# Altium PCB NFC_EEG.PcbDoc (part 1 of 3) (continued)
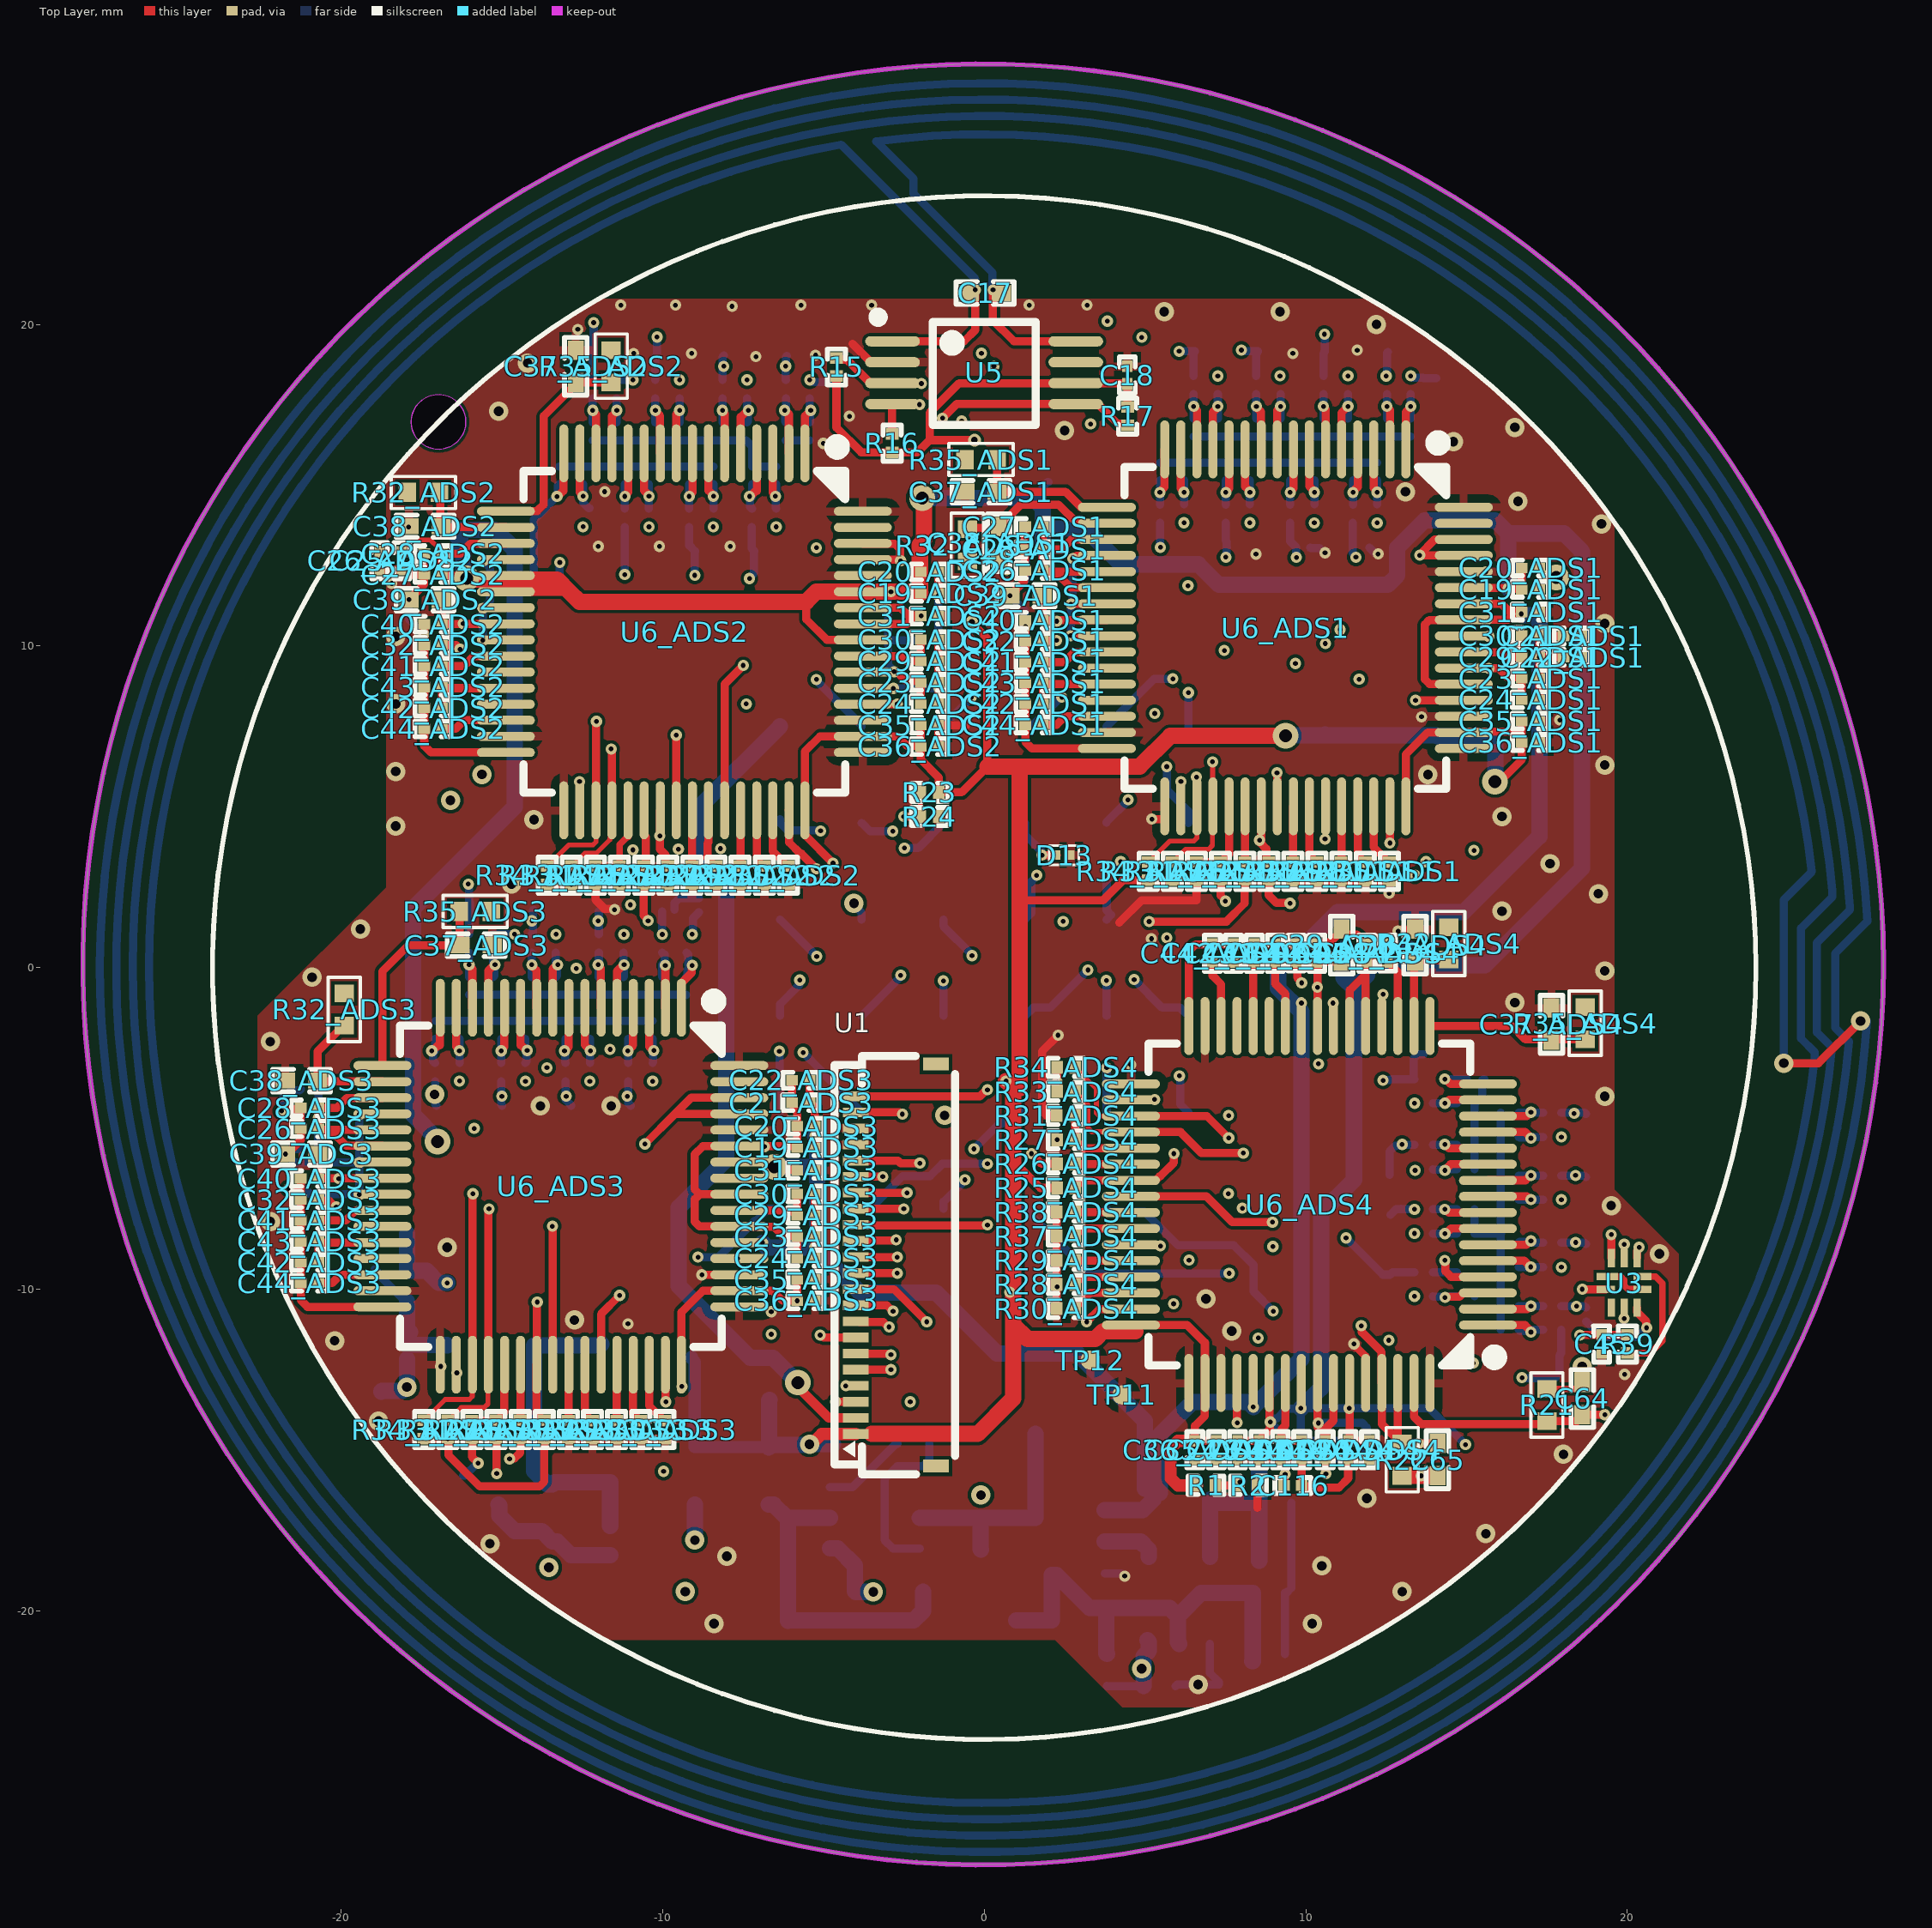
[diagram p0: Top Layer view]
## Components (designator, comment, footprint, x,y, rotation, side; value= is the part's Value field where it differs from the comment) (continued)
C57_ADS2 "4.7n" 0201_C -10.425,15.306 r90 bottom (schematic designator C57)
C57_ADS3 "4.7n" 0201_C -14.266,-1.931 r90 bottom (schematic designator C57)
C57_ADS4 "4.7n" 0201_C 14.98,-6.265 r0 bottom (schematic designator C57)
C58_ADS1 "4.7n" 0201_C 6.515,16.79 r90 bottom (schematic designator C58)
C58_ADS2 "4.7n" 0201_C -12.175,16.667 r90 bottom (schematic designator C58)
C58_ADS3 "4.7n" 0201_C -16.016,-0.571 r90 bottom (schematic designator C58)
C58_ADS4 "4.7n" 0201_C 16.34,-4.515 r0 bottom (schematic designator C58)
C59_ADS1 "4.7n" 0201_C 7.265,16.787 r270 bottom (schematic designator C59)
C59_ADS2 "4.7n" 0201_C -11.425,16.663 r270 bottom (schematic designator C59)
C59_ADS3 "4.7n" 0201_C -15.266,-0.574 r270 bottom (schematic designator C59)
C59_ADS4 "4.7n" 0201_C 16.337,-5.265 r180 bottom (schematic designator C59)
C60_ADS1 "4.7n" 0201_C 5.465,15.427 r270 bottom (schematic designator C60)
C60_ADS2 "4.7n" 0201_C -13.225,15.303 r270 bottom (schematic designator C60)
C60_ADS3 "4.7n" 0201_C -17.066,-1.934 r270 bottom (schematic designator C60)
C60_ADS4 "4.7n" 0201_C 15.277,-3.465 r180 bottom (schematic designator C60)
C61_ADS1 "4.7n" 0201_C 6.215,15.43 r90 bottom (schematic designator C61)
C61_ADS2 "4.7n" 0201_C -12.475,15.306 r90 bottom (schematic designator C61)
C61_ADS3 "4.7n" 0201_C -16.316,-1.931 r90 bottom (schematic designator C61)
C61_ADS4 "4.7n" 0201_C 14.98,-4.215 r0 bottom (schematic designator C61)
C64 "DNP" 0402_C 18.6,-13.4 r270 top
C65 "DNP" 0402_C 14.1,-15.3 r270 top
C95 "3.3u" 0402_C -2.2,-14.81 r0 bottom
C96 "1u" 0402_C -6.588,-18.346 r180 bottom
C97 "10u" 0402_C -4.2,-14.81 r0 bottom
C98 "10u" 0402_C -6.6,-19.31 r180 bottom
C99 "1u" 0402_C 2.1,-14.5 r0 bottom
C100 "10u" 0402_C 2.1,-15.4 r0 bottom
C101 "10u" 0402_C 8.838,-21.568 r0 bottom
C102 "10u" 0402_C -8.5,-13.2 r0 bottom
C103 "10u" 0402_C -18.45,-11.28 r180 bottom
C104 "1u" 0402_C -18.45,-10.38 r180 bottom
C105 "100n" 0402_C -18.45,-12.18 r180 bottom
C106 "2.2u" 0402_C -11.131,-15.556 r0 bottom
C107 "100n" 0402_C -11.131,-17.356 r0 bottom
C108 "10u" 0402_C -11.131,-16.456 r0 bottom
C109 "10u" 0402_C -11.131,-18.266 r0 bottom
C110 "2.2u" 0402_C 8.852,-20.34 r0 bottom
C111 "100n" 0402_C 8.852,-19.44 r0 bottom
C112 "2.2u" 0402_C 9.052,-17.54 r0 bottom
C113 "100n" 0402_C 9.052,-18.44 r0 bottom
C114 "10u" 0402_C 9.052,-16.64 r0 bottom
C115 "10u" 0402_C 3.74,-16.344 r90 bottom
C116 "100n" 0201_C 9.6,-16.1 r0 top
C117 "10n" 0402_C 3.745,-18.342 r90 bottom
D4_ADS1 "D5V0X1B2LP3-7" X3-DFN0603-2_L0.6-W0.3-BI 12.785,19.165 r0 bottom (schematic designator D4)
D4_ADS2 "D5V0X1B2LP3-7" X3-DFN0603-2_L0.6-W0.3-BI -5.905,19.041 r0 bottom (schematic designator D4)
D4_ADS3 "D5V0X1B2LP3-7" X3-DFN0603-2_L0.6-W0.3-BI -9.846,1.804 r0 bottom (schematic designator D4)
D4_ADS4 "D5V0X1B2LP3-7" X3-DFN0603-2_L0.6-W0.3-BI 18.715,-10.785 r270 bottom (schematic designator D4)
D5_ADS1 "D5V0X1B2LP3-7" X3-DFN0603-2_L0.6-W0.3-BI 11.257,13.053 r180 bottom (schematic designator D5)
D5_ADS2 "D5V0X1B2LP3-7" X3-DFN0603-2_L0.6-W0.3-BI -6.925,12.941 r0 bottom (schematic designator D5)
D5_ADS3 "D5V0X1B2LP3-7" X3-DFN0603-2_L0.6-W0.3-BI -10.766,-4.296 r0 bottom (schematic designator D5)
D5_ADS4 "D5V0X1B2LP3-7" X3-DFN0603-2_L0.6-W0.3-BI 12.615,-9.765 r270 bottom (schematic designator D5)
D6_ADS1 "D5V0X1B2LP3-7" X3-DFN0603-2_L0.6-W0.3-BI 10.815,19.165 r0 bottom (schematic designator D6)
D6_ADS2 "D5V0X1B2LP3-7" X3-DFN0603-2_L0.6-W0.3-BI -7.875,19.041 r0 bottom (schematic designator D6)
D6_ADS3 "D5V0X1B2LP3-7" X3-DFN0603-2_L0.6-W0.3-BI -11.716,1.804 r0 bottom (schematic designator D6)
D6_ADS4 "D5V0X1B2LP3-7" X3-DFN0603-2_L0.6-W0.3-BI 18.715,-8.815 r270 bottom (schematic designator D6)
D7_ADS1 "D5V0X1B2LP3-7" X3-DFN0603-2_L0.6-W0.3-BI 9.915,13.065 r0 bottom (schematic designator D7)
D7_ADS2 "D5V0X1B2LP3-7" X3-DFN0603-2_L0.6-W0.3-BI -8.775,12.941 r0 bottom (schematic designator D7)
D7_ADS3 "D5V0X1B2LP3-7" X3-DFN0603-2_L0.6-W0.3-BI -12.616,-4.296 r0 bottom (schematic designator D7)
D7_ADS4 "D5V0X1B2LP3-7" X3-DFN0603-2_L0.6-W0.3-BI 12.615,-7.915 r270 bottom (schematic designator D7)
D8_ADS1 "D5V0X1B2LP3-7" X3-DFN0603-2_L0.6-W0.3-BI 8.735,19.165 r0 bottom (schematic designator D8)
D8_ADS2 "D5V0X1B2LP3-7" X3-DFN0603-2_L0.6-W0.3-BI -9.955,19.041 r0 bottom (schematic designator D8)
D8_ADS3 "D5V0X1B2LP3-7" X3-DFN0603-2_L0.6-W0.3-BI -13.796,1.804 r0 bottom (schematic designator D8)
D8_ADS4 "D5V0X1B2LP3-7" X3-DFN0603-2_L0.6-W0.3-BI 18.715,-6.735 r270 bottom (schematic designator D8)
D9_ADS1 "D5V0X1B2LP3-7" X3-DFN0603-2_L0.6-W0.3-BI 7.765,13.065 r0 bottom (schematic designator D9)
D9_ADS2 "D5V0X1B2LP3-7" X3-DFN0603-2_L0.6-W0.3-BI -10.925,12.941 r0 bottom (schematic designator D9)
D9_ADS3 "D5V0X1B2LP3-7" X3-DFN0603-2_L0.6-W0.3-BI -14.766,-4.296 r0 bottom (schematic designator D9)
D9_ADS4 "D5V0X1B2LP3-7" X3-DFN0603-2_L0.6-W0.3-BI 12.604,-6.667 r270 bottom (schematic designator D9)
D10_ADS1 "D5V0X1B2LP3-7" X3-DFN0603-2_L0.6-W0.3-BI 6.765,19.165 r0 bottom (schematic designator D10)
D10_ADS2 "D5V0X1B2LP3-7" X3-DFN0603-2_L0.6-W0.3-BI -11.925,19.041 r0 bottom (schematic designator D10)
D10_ADS3 "D5V0X1B2LP3-7" X3-DFN0603-2_L0.6-W0.3-BI -15.766,1.804 r0 bottom (schematic designator D10)
D10_ADS4 "D5V0X1B2LP3-7" X3-DFN0603-2_L0.6-W0.3-BI 18.715,-4.765 r270 bottom (schematic designator D10)
D11_ADS1 "D5V0X1B2LP3-7" X3-DFN0603-2_L0.6-W0.3-BI 5.715,13.065 r0 bottom (schematic designator D11)
D11_ADS2 "D5V0X1B2LP3-7" X3-DFN0603-2_L0.6-W0.3-BI -13.2,11.607 r270 bottom (schematic designator D11)
D11_ADS3 "D5V0X1B2LP3-7" X3-DFN0603-2_L0.6-W0.3-BI -16.816,-4.296 r0 bottom (schematic designator D11)
D11_ADS4 "D5V0X1B2LP3-7" X3-DFN0603-2_L0.6-W0.3-BI 13.986,-2.698 r0 bottom (schematic designator D11)
D12_ADS1 "D5V0X1B2LP3-7" X3-DFN0603-2_L0.6-W0.3-BI 14.065,18.115 r270 bottom (schematic designator D12)
D12_ADS2 "D5V0X1B2LP3-7" X3-DFN0603-2_L0.6-W0.3-BI -4.625,17.991 r270 bottom (schematic designator D12)
D12_ADS3 "D5V0X1B2LP3-7" X3-DFN0603-2_L0.6-W0.3-BI -8.869,1.943 r90 bottom (schematic designator D12)
D12_ADS4 "D5V0X1B2LP3-7" X3-DFN0603-2_L0.6-W0.3-BI 17.665,-12.065 r180 bottom (schematic designator D12)
D13 "D5V0X1B2LP3-7" X3-DFN0603-2_L0.6-W0.3-BI 2.48,3.5 r180 top
J7 "pin6X6" SMD6X6 0,0 r180 bottom locked
L1 "3.3uH" 0805_L -6.7,-15.81 r270 bottom
L2 "3.3uH" 0805_L 2.1,-18 r270 bottom
L3 "3.3uH" 0805_L -9,-15.8 r270 bottom
L4 "3.3uH" 0805_L -13.431,-16.956 r270 bottom
L5 "3.3uH" 0805_L 6.152,-16.54 r180 bottom
R1 "20K" 0201_R 6.9,-16.1 r0 top
R2 "DNP" 0201_R 8.215,-16.1 r180 top
R3 "NC" 0402_R -18.45,-9.38 r180 bottom
R4 "30K" 0402_R -18.45,-8.28 r180 bottom
R15 "Res" 0201_R -4.594,18.676 r90 top value=10K
R16 "Res" 0201_R -2.861,16.309 r90 top value=10K
R17 "Res" 0201_R 4.459,17.147 r270 top value=10K
R18 "NC" 0402_R -2.4,-19.41 r0 bottom
R19 "30K" 0402_R -4.5,-19.41 r180 bottom
R21 "DNP" 0402_R 17.5,-13.6 r90 top
R22 "DNP" 0402_R 13,-15.3 r90 top
R23 "DNP" 0201_R -1.7,5.45 r180 top
R24 "20K" 0201_R -1.7,4.7 r180 top
R25_ADS1 "10k" 0201_R 8.85,3 r90 top (schematic designator R25)
R25_ADS2 "10k" 0201_R -9.84,2.876 r90 top (schematic designator R25)
R25_ADS3 "10k" 0201_R -13.681,-14.361 r90 top (schematic designator R25)
R25_ADS4 "10k" 0201_R 2.55,-6.85 r0 top (schematic designator R25)
R26_ADS1 "10" 0201_R 8.1,3 r90 top (schematic designator R26)
R26_ADS2 "10" 0201_R -10.59,2.876 r90 top (schematic designator R26)
R26_ADS3 "10" 0201_R -14.431,-14.361 r90 top (schematic designator R26)
R26_ADS4 "10" 0201_R 2.55,-6.1 r0 top (schematic designator R26)
R27_ADS1 "10" 0201_R 7.35,3 r90 top (schematic designator R27)
R27_ADS2 "10" 0201_R -11.34,2.876 r90 top (schematic designator R27)
R27_ADS3 "10" 0201_R -15.181,-14.361 r90 top (schematic designator R27)
R27_ADS4 "10" 0201_R 2.55,-5.35 r0 top (schematic designator R27)
R28_ADS1 "10k" 0201_R 11.85,2.995 r270 top (schematic designator R28)
R28_ADS2 "10k" 0201_R -6.84,2.871 r270 top (schematic designator R28)
R28_ADS3 "10k" 0201_R -10.681,-14.366 r270 top (schematic designator R28)
R28_ADS4 "10k" 0201_R 2.545,-9.85 r180 top (schematic designator R28)
R29_ADS1 "10k" 0201_R 11.1,2.995 r270 top (schematic designator R29)
R29_ADS2 "10k" 0201_R -7.59,2.871 r270 top (schematic designator R29)
R29_ADS3 "10k" 0201_R -11.431,-14.366 r270 top (schematic designator R29)
R29_ADS4 "10k" 0201_R 2.545,-9.1 r180 top (schematic designator R29)
R30_ADS1 "10k" 0201_R 12.6,2.995 r270 top (schematic designator R30)
R30_ADS2 "10k" 0201_R -6.09,2.871 r270 top (schematic designator R30)
R30_ADS3 "10k" 0201_R -9.931,-14.366 r270 top (schematic designator R30)
R30_ADS4 "10k" 0201_R 2.545,-10.6 r180 top (schematic designator R30)
R31_ADS1 "DNP" 0201_R 6.6,2.995 r270 top (schematic designator R31)
R31_ADS2 "DNP" 0201_R -12.09,2.871 r270 top (schematic designator R31)
R31_ADS3 "DNP" 0201_R -15.931,-14.366 r270 top (schematic designator R31)
R31_ADS4 "DNP" 0201_R 2.545,-4.6 r180 top (schematic designator R31)
R32_ADS1 "0" 0402_R -0.525,13.133 r270 top (schematic designator R32)
R32_ADS2 "0" 0402_R -17.44,14.776 r180 top (schematic designator R32)
R32_ADS3 "0" 0402_R -19.9,-1.3 r90 top (schematic designator R32)
R32_ADS4 "0" 0402_R 14.45,0.75 r90 top (schematic designator R32)
R33_ADS1 "10k" 0201_R 5.85,3 r90 top (schematic designator R33)
R33_ADS2 "10k" 0201_R -12.84,2.876 r90 top (schematic designator R33)
R33_ADS3 "10k" 0201_R -16.681,-14.361 r90 top (schematic designator R33)
R33_ADS4 "10k" 0201_R 2.55,-3.85 r0 top (schematic designator R33)
R34_ADS1 "10k" 0201_R 5.1,3 r90 top (schematic designator R34)
R34_ADS2 "10k" 0201_R -13.59,2.876 r90 top (schematic designator R34)
R34_ADS3 "10k" 0201_R -17.431,-14.361 r90 top (schematic designator R34)
R34_ADS4 "10k" 0201_R 2.55,-3.1 r0 top (schematic designator R34)
R35_ADS1 "0" 0402_R -0.1,15.8 r180 top (schematic designator R35)
R35_ADS2 "0" 0402_R -11.6,18.7 r90 top (schematic designator R35)
R35_ADS3 "0" 0402_R -15.83,1.75 r0 top (schematic designator R35)
R35_ADS4 "0" 0402_R 18.69,-1.73 r90 top (schematic designator R35)
R37_ADS1 "10k" 0201_R 10.35,2.995 r270 top (schematic designator R37)
R37_ADS2 "10k" 0201_R -8.34,2.871 r270 top (schematic designator R37)
R37_ADS3 "10k" 0201_R -12.181,-14.366 r270 top (schematic designator R37)
R37_ADS4 "10k" 0201_R 2.545,-8.35 r180 top (schematic designator R37)
R38_ADS1 "0" 0201_R 9.6,2.995 r270 top (schematic designator R38)
R38_ADS2 "0" 0201_R -9.09,2.871 r270 top (schematic designator R38)
R38_ADS3 "0" 0201_R -12.931,-14.366 r270 top (schematic designator R38)
R38_ADS4 "0" 0201_R 2.545,-7.6 r180 top (schematic designator R38)
R39 "100k 1%" 0201_R 20,-11.7 r90 top
R40_ADS1 "4.99k" 0201_R 12.524,18.115 r90 bottom (schematic designator R40)
R40_ADS2 "4.99k" 0201_R -6.166,17.991 r90 bottom (schematic designator R40)
R40_ADS3 "4.99k" 0201_R -10.007,0.754 r90 bottom (schematic designator R40)
R40_ADS4 "4.99k" 0201_R 17.665,-10.524 r0 bottom (schematic designator R40)
R41_ADS1 "4.99k" 0201_R 13.265,18.115 r90 bottom (schematic designator R41)
R41_ADS2 "4.99k" 0201_R -5.425,17.991 r90 bottom (schematic designator R41)
R41_ADS3 "4.99k" 0201_R -9.266,0.754 r90 bottom (schematic designator R41)
R41_ADS4 "4.99k" 0201_R 17.665,-11.265 r0 bottom (schematic designator R41)
R42_ADS1 "4.99k" 0201_R 11.466,14.115 r270 bottom (schematic designator R42)
R42_ADS2 "4.99k" 0201_R -7.224,13.991 r270 bottom (schematic designator R42)
R42_ADS3 "4.99k" 0201_R -11.065,-3.246 r270 bottom (schematic designator R42)
R42_ADS4 "4.99k" 0201_R 13.665,-9.466 r180 bottom (schematic designator R42)
R43_ADS1 "4.99k" 0201_R 12.219,14.115 r270 bottom (schematic designator R43)
R43_ADS2 "4.99k" 0201_R -6.47,13.991 r270 bottom (schematic designator R43)
R43_ADS3 "4.99k" 0201_R -10.312,-3.246 r270 bottom (schematic designator R43)
R43_ADS4 "4.99k" 0201_R 13.665,-10.219 r180 bottom (schematic designator R43)
R44_ADS1 "4.99k" 0201_R 10.55,18.115 r90 bottom (schematic designator R44)
R44_ADS2 "4.99k" 0201_R -8.14,17.991 r90 bottom (schematic designator R44)
R44_ADS3 "4.99k" 0201_R -11.981,0.754 r90 bottom (schematic designator R44)
R44_ADS4 "4.99k" 0201_R 17.665,-8.55 r0 bottom (schematic designator R44)
R45_ADS1 "4.99k" 0201_R 11.315,18.115 r90 bottom (schematic designator R45)
R45_ADS2 "4.99k" 0201_R -7.375,17.991 r90 bottom (schematic designator R45)
R45_ADS3 "4.99k" 0201_R -11.216,0.754 r90 bottom (schematic designator R45)
R45_ADS4 "4.99k" 0201_R 17.665,-9.315 r0 bottom (schematic designator R45)
R46_ADS1 "4.99k" 0201_R 9.515,14.115 r270 bottom (schematic designator R46)
R46_ADS2 "4.99k" 0201_R -9.175,13.991 r270 bottom (schematic designator R46)
R46_ADS3 "4.99k" 0201_R -13.016,-3.246 r270 bottom (schematic designator R46)
R46_ADS4 "4.99k" 0201_R 13.665,-7.515 r180 bottom (schematic designator R46)
R47_ADS1 "4.99k" 0201_R 10.265,14.115 r270 bottom (schematic designator R47)
R47_ADS2 "4.99k" 0201_R -8.425,13.991 r270 bottom (schematic designator R47)
R47_ADS3 "4.99k" 0201_R -12.266,-3.246 r270 bottom (schematic designator R47)
R47_ADS4 "4.99k" 0201_R 13.665,-8.265 r180 bottom (schematic designator R47)
R48_ADS1 "4.99k" 0201_R 8.465,18.115 r90 bottom (schematic designator R48)
R48_ADS2 "4.99k" 0201_R -10.225,17.991 r90 bottom (schematic designator R48)
R48_ADS3 "4.99k" 0201_R -14.066,0.754 r90 bottom (schematic designator R48)
R48_ADS4 "4.99k" 0201_R 17.665,-6.465 r0 bottom (schematic designator R48)
R49_ADS1 "4.99k" 0201_R 9.215,18.115 r90 bottom (schematic designator R49)
R49_ADS2 "4.99k" 0201_R -9.475,17.991 r90 bottom (schematic designator R49)
R49_ADS3 "4.99k" 0201_R -13.316,0.754 r90 bottom (schematic designator R49)
R49_ADS4 "4.99k" 0201_R 17.665,-7.215 r0 bottom (schematic designator R49)
R50_ADS1 "4.99k" 0201_R 7.515,14.115 r270 bottom (schematic designator R50)
R50_ADS2 "4.99k" 0201_R -11.175,13.991 r270 bottom (schematic designator R50)
R50_ADS3 "4.99k" 0201_R -15.016,-3.246 r270 bottom (schematic designator R50)
R50_ADS4 "4.99k" 0201_R 13.665,-5.515 r180 bottom (schematic designator R50)
R51_ADS1 "4.99k" 0201_R 8.265,14.115 r270 bottom (schematic designator R51)
R51_ADS2 "4.99k" 0201_R -10.425,13.991 r270 bottom (schematic designator R51)
R51_ADS3 "4.99k" 0201_R -14.266,-3.246 r270 bottom (schematic designator R51)
R51_ADS4 "4.99k" 0201_R 13.665,-6.265 r180 bottom (schematic designator R51)
R52_ADS1 "4.99k" 0201_R 6.515,18.115 r90 bottom (schematic designator R52)
R52_ADS2 "4.99k" 0201_R -12.175,17.991 r90 bottom (schematic designator R52)
R52_ADS3 "4.99k" 0201_R -16.016,0.754 r90 bottom (schematic designator R52)
R52_ADS4 "4.99k" 0201_R 17.665,-4.515 r0 bottom (schematic designator R52)
R53_ADS1 "4.99k" 0201_R 7.265,18.115 r90 bottom (schematic designator R53)
R53_ADS2 "4.99k" 0201_R -11.425,17.991 r90 bottom (schematic designator R53)
R53_ADS3 "4.99k" 0201_R -15.266,0.754 r90 bottom (schematic designator R53)
R53_ADS4 "4.99k" 0201_R 17.665,-5.265 r0 bottom (schematic designator R53)
R54_ADS1 "4.99k" 0201_R 5.465,14.115 r270 bottom (schematic designator R54)
R54_ADS2 "4.99k" 0201_R -14,12 r270 bottom (schematic designator R54)
R54_ADS3 "4.99k" 0201_R -17.066,-3.246 r270 bottom (schematic designator R54)
R54_ADS4 "4.99k" 0201_R 13.965,-3.465 r180 bottom (schematic designator R54)
R56_ADS1 "4.99k" 0201_R 6.215,14.12 r270 bottom (schematic designator R56)
R56_ADS2 "4.99k" 0201_R -12.275,13.996 r270 bottom (schematic designator R56)
R56_ADS3 "4.99k" 0201_R -16.316,-3.241 r270 bottom (schematic designator R56)
R56_ADS4 "4.99k" 0201_R 13.67,-4.215 r180 bottom (schematic designator R56)
R57 "NC" 0402_R 3.82,-21.838 r90 bottom
R58 "30K" 0402_R 5.452,-22.34 r0 bottom
TP1 "SMD_TP_C35" TEST_Point -6.1,-20.31 r90 bottom
TP2 "SMD_TP_C35" TEST_Point -0.1,-18.1 r90 bottom
TP3 "SMD_TP_C35" TEST_Point -6.681,-13.44 r90 bottom
TP4 "SMD_TP_C35" TEST_Point 1,-20.3 r90 bottom
TP5 "SMD_TP_C35" TEST_Point -11.8,-20 r180 bottom
TP6 "SMD_TP_C35" TEST_Point -10,-20.3 r180 bottom
TP7 "SMD_TP_C35" TEST_Point -18.75,-13.18 r180 bottom
TP8 "SMD_TP_C35" TEST_Point -11.9,-11.7 r180 bottom
TP9 "SMD_TP_C35" TEST_Point -9.1,-12.1 r180 bottom
TP10 "SMD_TP_C35" TEST_Point -15.101,-16.7 r180 bottom
TP11 "SMD_TP_C35" TEST_Point 4.29,-13.29 r90 top
TP12 "SMD_TP_C35" TEST_Point 3.3,-12.2 r90 top
TP13 "SMD_TP_C35" TEST_Point 8.552,-15.64 r90 bottom
TP14 "SMD_TP_C35" TEST_Point 2.1,-20.3 r90 bottom
TP15 "SMD_TP_C35" TEST_Point 5.252,-14.74 r90 bottom
TP16 "SMD_TP_C35" TEST_Point 10.9,-17.6 r90 bottom
TP17 "SMD_TP_C35" TEST_Point 7.352,-22.24 r90 bottom
U1 "KH-FPC0.5-H1.0SMT-22P-QCHF" FPC-SMD_22P-P0.50_XKB_X05A10L22G -2.75,-9.25 r90 top
U3 "FSA2271TUMX" UFQFN-10(1.4X1.8) 19.9,-9.8 r0 top
U5 "NT3H2111" TSSOP-8 0,18.5 r270 top
U6_ADS1 "ADS1299IPAGR" TQFP-64_L10.0-W10.0-P0.50-LS12.0-TL 9.365,10.565 r270 top locked (schematic designator U6)
U6_ADS2 "ADS1299IPAGR" TQFP-64_L10.0-W10.0-P0.50-LS12.0-TL -9.325,10.441 r270 top (schematic designator U6)
U6_ADS3 "ADS1299IPAGR" TQFP-64_L10.0-W10.0-P0.50-LS12.0-TL -13.166,-6.796 r270 top (schematic designator U6)
U6_ADS4 "ADS1299IPAGR" TQFP-64_L10.0-W10.0-P0.50-LS12.0-TL 10.115,-7.365 r180 top (schematic designator U6)
U17 "LM2664" SOT-23-6 -3.4,-17.11 r0 bottom
U18 "LP5907MFX-2.5/NOPB" SOT-23_5 -15.35,-10.79 r180 bottom
U19 "TPS72325" SOT-23_5 6.07,-19.673 r270 bottom

## Footprints (in the part's own frame and the unit in brackets; to place one, negate y for a bottom-side part, rotate by r counter-clockwise, add the part's x,y. Pads: shape width x height; smd on the part's side, far side on the other; paste and mask are expansions set on the pad)
0201_C [mm]
  rect 0.368x0.324 smd: 1(-0.274,0) 2(0.274,0)
  silkscreen extent -0.56,-0.25 0.56,0.25, body extent -0.3,-0.15 0.3,0.15, height 0.31
0201_R [mm]
  rect 0.36x0.4 smd mask+0.051: 1(-0.285,0) 2(0.285,0)
  silkscreen extent -0.56,-0.28 0.56,0.28, body extent -0.34,-0.16 0.34,0.16, height 0.34
0402_C [mm] "Chip Capacitor, 2-Leads, Body 1.0x0.5mm, IPC High Density"
  rect 0.6x0.5 smd: 1(-0.5,0) 2(0.5,0)
  silkscreen extent -0.9,-0.35 0.9,0.35, body extent -0.51,-0.25 0.51,0.25, height 0.5
0402_R [mm]
  rect 0.55x0.6 smd: 1(-0.5,0) 2(0.5,0)
  silkscreen extent -1,-0.5 1,0.5, body extent -0.57,-0.27 0.58,0.28, height 0.41
0805_L [mm]
  rect 1.16x1.47 smd: 1(-0.89,0) 2(0.89,0)
  silkscreen extent -1.77,-1.04 1.77,1.03, body extent -1,-0.64 1,0.64, height 0.6
FPC-SMD_22P-P0.50_XKB_X05A10L22G [mm]
  rect 0.3x0.8 smd paste+0 mask+0.05: 1(-5.25,1.25) 2(-4.75,1.25) 3(-4.25,1.25) 4(-3.75,1.25) 5(-3.25,1.25) 6(-2.75,1.25) 7(-2.25,1.25) 8(-1.75,1.25) 9(-1.25,1.25) 10(-0.75,1.25) 11(-0.25,1.25) 12(0.25,1.25) 13(0.75,1.25) 14(1.25,1.25) 15(1.75,1.25) 16(2.25,1.25) 17(2.75,1.25) 18(3.25,1.25) 19(3.75,1.25) 20(4.25,1.25) 21(4.75,1.25) 22(5.25,1.25)
  rect 0.4x0.8 smd paste+0 mask+0.05: 23(6.25,-1.25) 24(-6.25,-1.25)
  silkscreen extent -6.5,-1.85 6.5,1.91, body extent -6.5,-1.9 6.5,1.91, height 1.22
SMD6X6 [mm] "SMD6X6"
  round 1.6 smd: 1(6.35,7.5) 2(3.81,7.5) 3(1.27,7.5) 4(-1.27,7.5) 5(-3.81,7.5) 6(-6.35,7.5) 7(6.35,4.5) 8(3.81,4.5) 9(1.27,4.5) 10(-1.27,4.5) 11(-3.81,4.5) 12(-6.35,4.5) 13(6.35,1.5) 14(3.81,1.5) 15(1.27,1.5) 16(-1.27,1.5) 17(-3.81,1.5) 18(-6.35,1.5) 19(6.35,-1.5) 20(3.81,-1.5) 21(1.27,-1.5) 22(-1.27,-1.5) 23(-3.81,-1.5) 24(-6.35,-1.5) 25(6.35,-4.5) 26(3.81,-4.5) 27(1.27,-4.5) 28(-1.27,-4.5) 29(-3.81,-4.5) 30(-6.35,-4.5) 31(6.35,-7.5) 32(3.81,-7.5) 33(1.27,-7.5) 34(-1.27,-7.5) 35(-3.81,-7.5) 36(-6.35,-7.5)
SOT-23-6 [mm]
  rect 1.1x0.6 smd: 1(1.4,-0.95) 2(1.4,0) 3(1.4,0.95) 4(-1.4,0.95) 5(-1.4,0) 6(-1.4,-0.95)
  silkscreen extent -0.5,-1.87 1.73,1.4, body extent -1.4,-1.45 1.4,1.45, height 1.45
SOT-23_5 [mm]
  rect 1.05x0.6 smd: 1(1.35,-0.95) 2(1.35,0) 3(1.35,0.95)
  rect 1x0.55 smd: 4(-1.35,0.95) 5(-1.35,-0.95)
  silkscreen extent -0.87,-1.96 1.6,1.54, body extent -1.45,-1.44 1.35,1.46, height 1.09
TEST_Point [mm]
  round 0.6 smd: 1(0,0)
TQFP-64_L10.0-W10.0-P0.50-LS12.0-TL [mm]
  oval 1.8x0.28 smd paste-100 mask+0.051: 1(-5.55,3.75) 2(-5.55,3.25) 3(-5.55,2.75) 4(-5.55,2.25) 5(-5.55,1.75) 6(-5.55,1.25) 7(-5.55,0.75) 8(-5.55,0.25) 9(-5.55,-0.25) 10(-5.55,-0.75) 11(-5.55,-1.25) 12(-5.55,-1.75) 13(-5.55,-2.25) 14(-5.55,-2.75) 15(-5.55,-3.25) 16(-5.55,-3.75) 33(5.55,-3.75) 34(5.55,-3.25) 35(5.55,-2.75) 36(5.55,-2.25) 37(5.55,-1.75) 38(5.55,-1.25) 39(5.55,-0.75) 40(5.55,-0.25) 41(5.55,0.25) 42(5.55,0.75) 43(5.55,1.25) 44(5.55,1.75) 45(5.55,2.25) 46(5.55,2.75) 47(5.55,3.25) 48(5.55,3.75)
  oval 0.28x1.8 smd paste-100 mask+0.051: 17(-3.75,-5.55) 18(-3.25,-5.55) 19(-2.75,-5.55) 20(-2.25,-5.55) 21(-1.75,-5.55) 22(-1.25,-5.55) 23(-0.75,-5.55) 24(-0.25,-5.55) 25(0.25,-5.55) 26(0.75,-5.55) 27(1.25,-5.55) 28(1.75,-5.55) 29(2.25,-5.55) 30(2.75,-5.55) 31(3.25,-5.55) 32(3.75,-5.55) 49(3.75,5.55) 50(3.25,5.55) 51(2.75,5.55) 52(2.25,5.55) 53(1.75,5.55) 54(1.25,5.55) 55(0.75,5.55) 56(0.25,5.55) 57(-0.25,5.55) 58(-0.75,5.55) 59(-1.25,5.55) 60(-1.75,5.55) 61(-2.25,5.55) 62(-2.75,5.55) 63(-3.25,5.55) 64(-3.75,5.55)
  silkscreen extent -5.95,-5 5,5, body extent -5.79,-5.79 5.79,5.79, height 1
TSSOP-8 [mm]
  oval 0.32x1.7 smd: 1(-0.975,-2.85) 2(-0.325,-2.85) 3(0.325,-2.85) 4(0.975,-2.85) 5(0.975,2.85) 6(0.325,2.85) 7(-0.325,2.85) 8(-0.975,2.85)
  silkscreen extent -1.87,-3.45 1.63,1.6, body extent -1.5,-3.2 1.5,3.2, height 1.2
UFQFN-10(1.4X1.8) [mm]
  rect 0.663x0.225 smd mask+0.102: 1(-0.519,0.2)
  rect 0.563x0.225 smd mask+0.102: 2(-0.569,-0.2) 6(0.569,-0.2) 7(0.569,0.2)
  rect 0.225x0.563 smd mask+0.102: 3(-0.4,-0.768) 4(0,-0.769) 5(0.4,-0.768) 8(0.4,0.768) 9(0,0.769) 10(-0.4,0.768)
  body extent -0.72,-0.92 0.72,0.92, height 0.5
X3-DFN0603-2_L0.6-W0.3-BI [mm]
  rect 0.23x0.3 smd: 1(-0.22,0) 2(0.22,0)
  silkscreen extent -0.46,-0.3 0.46,0.3

## Part data
C17 C18: library part CAP, "Capacitor"
C19_ADS1 C19_ADS2 C19_ADS3 C19_ADS4 C21_ADS1 C21_ADS2 C21_ADS3 C21_ADS4 C23_ADS1 C23_ADS2 C23_ADS3 C23_ADS4 C25_ADS1 C25_ADS2 C25_ADS3 C25_ADS4 C27_ADS1 C27_ADS2 C27_ADS3 C27_ADS4 C29_ADS1 C29_ADS2 C29_ADS3 C29_ADS4 C31_ADS1 C31_ADS2 C31_ADS3 C31_ADS4 C32_ADS1 C32_ADS2 C32_ADS3 C32_ADS4 C33_ADS1 C33_ADS2 C33_ADS3 C33_ADS4 C35_ADS1 C35_ADS2 C35_ADS3 C35_ADS4 C41_ADS1 C41_ADS2 C41_ADS3 C41_ADS4 C44_ADS1 C44_ADS2 C44_ADS3 C44_ADS4: library part CAP0402, "CAP CER 1UF 25V X5R 0402", Distributor Part Number=C326568, Manufacturer=YAGEO, Manufacturer Part Number=CC0402KRX5R8BB105, Distributor=LCSC, Distributor Link=https://item.szlcsc.com/306662.html, FPLIST=0402_smd, Part Number=CC0402KRX5R8BB105, PCB Footprint=C0402
C20_ADS1 C20_ADS2 C20_ADS3 C20_ADS4 C22_ADS1 C22_ADS2 C22_ADS3 C22_ADS4 C24_ADS1 C24_ADS2 C24_ADS3 C24_ADS4 C26_ADS1 C26_ADS2 C26_ADS3 C26_ADS4 C28_ADS1 C28_ADS2 C28_ADS3 C28_ADS4 C30_ADS1 C30_ADS2 C30_ADS3 C30_ADS4 C34_ADS1 C34_ADS2 C34_ADS3 C34_ADS4 C36_ADS1 C36_ADS2 C36_ADS3 C36_ADS4 C40_ADS1 C40_ADS2 C40_ADS3 C40_ADS4 C105 C107 C111 C113 C116: library part CAP0402, "CAP CER 0.1UF 25V X7R 0402", Distributor Part Number=C105883, Manufacturer=YAGEO, Manufacturer Part Number=CC0402KRX7R8BB104, Distributor=LCSC, Distributor Link=https://item.szlcsc.com/107098.html, FPLIST=0402_smd, Part Number=CC0402KRX7R8BB104, PCB Footprint=C0402
C37_ADS1 C37_ADS2 C37_ADS3 C37_ADS4 C38_ADS1 C38_ADS2 C38_ADS3 C38_ADS4 C42_ADS1 C42_ADS2 C42_ADS3 C42_ADS4 C64 C65: library part CAP0402, FPLIST=0402_smd, PCB Footprint=C0402
C39_ADS1 C39_ADS2 C39_ADS3 C39_ADS4 C97 C98 C100 C101 C102 C103 C108 C109 C114 C115: library part CAP0402, "CAP CER 10UF 10V X5R 0603", Distributor Part Number=C19702, Manufacturer="Samsung Electro-Mechanics", Manufacturer Part Number=CL10A106KP8NNNC, Distributor=LCSC, Distributor Link=https://item.szlcsc.com/20411.html, FPLIST=0402_smd, Part Number=CL10A106KP8NNNC, PCB Footprint=C0603
C43_ADS1 C43_ADS2 C43_ADS3 C43_ADS4: library part CAP0402, "CAP CER 100UF 10V X5R 1206", Distributor Part Number=C312983, Manufacturer="Murata Electronics", Manufacturer Part Number=GRM31CR61A107ME05L, Distributor=LCSC, Distributor Link=https://item.szlcsc.com/295691.html, FPLIST=0402_smd, Part Number=GRM31CR61A107ME05L, PCB Footprint=C1206
C45 C46_ADS1 C46_ADS2 C46_ADS3 C46_ADS4 C47_ADS1 C47_ADS2 C47_ADS3 C47_ADS4 C48_ADS1 C48_ADS2 C48_ADS3 C48_ADS4 C49_ADS1 C49_ADS2 C49_ADS3 C49_ADS4 C50_ADS1 C50_ADS2 C50_ADS3 C50_ADS4 C51_ADS1 C51_ADS2 C51_ADS3 C51_ADS4 C52_ADS1 C52_ADS2 C52_ADS3 C52_ADS4 C53_ADS1 C53_ADS2 C53_ADS3 C53_ADS4 C54_ADS1 C54_ADS2 C54_ADS3 C54_ADS4 C55_ADS1 C55_ADS2 C55_ADS3 C55_ADS4 C56_ADS1 C56_ADS2 C56_ADS3 C56_ADS4 C57_ADS1 C57_ADS2 C57_ADS3 C57_ADS4 C58_ADS1 C58_ADS2 C58_ADS3 C58_ADS4 C59_ADS1 C59_ADS2 C59_ADS3 C59_ADS4 C60_ADS1 C60_ADS2 C60_ADS3 C60_ADS4 C61_ADS1 C61_ADS2 C61_ADS3 C61_ADS4: library part CAP0402, "CAP CER 4700PF 50V X7R 0402", Distributor Part Number=C106208, Manufacturer=YAGEO, Manufacturer Part Number=CC0402KRX7R9BB472, Distributor=LCSC, Distributor Link=https://item.szlcsc.com/107423.html, FPLIST=0402_smd, Part Number=CC0402KRX7R9BB472, PCB Footprint=C0603
C95: library part CAP0402, "CAP CER 3.3UF 10V X5R 0805", Distributor Part Number=C162416, Manufacturer="Murata Electronics", Manufacturer Part Number=GRM21BR61A335KA73L, Distributor=LCSC, Distributor Link=https://item.szlcsc.com/173797.html, FPLIST=0402_smd, Part Number=GRM21BR61A335KA73L, PCB Footprint=C0805
C96 C99 C104: library part CAP0402, "CAP CER 1UF 25V X5R 0603", Distributor Part Number=C77046, Manufacturer="Murata Electronics", Manufacturer Part Number=GRM188R61E105KA12D, Distributor=LCSC, Distributor Link=https://item.szlcsc.com/78173.html, FPLIST=0402_smd, Part Number=GRM188R61E105KA12D, PCB Footprint=C0603
C106 C110 C112: library part CAP0402, "CAP CER 2.2UF 25V X5R 0603", Distributor Part Number=C541409, Manufacturer=YAGEO, Manufacturer Part Number=CC0603KRX5R8BB225, Distributor=LCSC, Distributor Link=https://item.szlcsc.com/293094.html, FPLIST=0402_smd, Part Number=CC0603KRX5R8BB225, PCB Footprint=C0603
C117: library part CAP0402, "CAP CER 10000PF 25V X7R 0402", Distributor Part Number=C327025, Manufacturer=YAGEO, Manufacturer Part Number=CC0402KRX7R8BB103, Distributor=LCSC, Distributor Link=https://item.szlcsc.com/307119.html, FPLIST=0402_smd, Part Number=CC0402KRX7R8BB103, PCB Footprint=C0402
D4_ADS1 D4_ADS2 D4_ADS3 D4_ADS4 D5_ADS1 D5_ADS2 D5_ADS3 D5_ADS4 D6_ADS1 D6_ADS2 D6_ADS3 D6_ADS4 D7_ADS1 D7_ADS2 D7_ADS3 D7_ADS4 D8_ADS1 D8_ADS2 D8_ADS3 D8_ADS4 D9_ADS1 D9_ADS2 D9_ADS3 D9_ADS4 D10_ADS1 D10_ADS2 D10_ADS3 D10_ADS4 D11_ADS1 D11_ADS2 D11_ADS3 D11_ADS4 D12_ADS1 D12_ADS2 D12_ADS3 D12_ADS4 D13: Breakdown Voltage (VBR)=7V, Clamping Voltage@Ipp=14V, JLCPCB Part Class="Extended Part", Junction Capacitance(Cj)@1MHz=0.3pF@1MHz, Manufacturer=DIODES(美台), Operating Temperature=-65℃~+150℃@(Tj), Peak Pulse Power(Ppp)@8/20us=-, Reverse Stand-Off Voltage (Vrwm)=5.5V, Add into BOM=yes, Convert to PCB=yes, Datasheet=https://atta.szlcsc.com/upload/public/pdf/source/20200528/C526514_1B9BA5DE30498B0D24898FE9BE74AB8A.pdf, Device=D5V0X1B2LP3-7, LCSC Part Name=D5V0X1B2LP3-7, Manufacturer Part=D5V0X1B2LP3-7, Name=D5V0X1B2LP3-7, Supplier=LCSC, Supplier Footprint=X3-DFN0603-2, Supplier Part=C526514, Symbol=D5V0X1B2LP3-7
J7: library part PIN6X6, PCB Footprint=pin6X6
L1 L2 L3 L4 L5: library part INDUCTOR, "FIXED IND 3.3UH 500MA 260 MOHM", Distributor Part Number=C404386, Manufacturer="TDK Corporation", Manufacturer Part Number=KLZ2012MHR3R3HTD25, Distributor=LCSC, Distributor Link=https://item.szlcsc.com/391913.html, Part Number=KLZ2012MHR3R3HTD25, PCB Footprint=L0805
R1 R3 R18 R24 R32_ADS1 R32_ADS2 R32_ADS3 R32_ADS4 R35_ADS1 R35_ADS2 R35_ADS3 R35_ADS4 R38_ADS1 R38_ADS2 R38_ADS3 R38_ADS4 R57: library part RES, "RES SMD 0 OHM JUMPER 1/16W 0402", Distributor Part Number=C106231, Manufacturer=YAGEO, Manufacturer Part Number=RC0402FR-070RL, Distributor=LCSC, Distributor Link=https://item.szlcsc.com/107446.html, Part Number=RC0402FR-070RL, PCB Footprint=R0402
R2 R4 R19 R21 R22 R23 R31_ADS1 R31_ADS2 R31_ADS3 R31_ADS4 R58: library part RES, PCB Footprint=R0402
R15 R16 R17: library part Res2, "Resistor"
R25_ADS1 R25_ADS2 R25_ADS3 R25_ADS4 R28_ADS1 R28_ADS2 R28_ADS3 R28_ADS4 R29_ADS1 R29_ADS2 R29_ADS3 R29_ADS4 R30_ADS1 R30_ADS2 R30_ADS3 R30_ADS4 R33_ADS1 R33_ADS2 R33_ADS3 R33_ADS4 R34_ADS1 R34_ADS2 R34_ADS3 R34_ADS4 R37_ADS1 R37_ADS2 R37_ADS3 R37_ADS4: library part RES, "RES SMD 10K OHM 1% 1/16W 0402", Distributor Part Number=C60490, Manufacturer=YAGEO, Manufacturer Part Number=RC0402FR-0710KL, Distributor=LCSC, Distributor Link=https://item.szlcsc.com/61542.html, Part Number=RC0402FR-0710KL, PCB Footprint=R0402
R26_ADS1 R26_ADS2 R26_ADS3 R26_ADS4 R27_ADS1 R27_ADS2 R27_ADS3 R27_ADS4: library part RES, "RES SMD 10 OHM 1% 1/10W 0402", Distributor Part Number=C138066, Manufacturer=YAGEO, Manufacturer Part Number=RC0402FR-0710RL, Distributor=LCSC, Distributor Link=https://item.szlcsc.com/149382.html, Part Number=RC0402FR-0710RL, PCB Footprint=R0402
R39: library part RES, Distributor Part Number=C137965, Manufacturer=YAGEO, Manufacturer Part Number=RC0402FR-074K99L, Distributor=LCSC, Distributor Link=https://item.szlcsc.com/149281.html, Part Number=RC0402FR-074K99L, PCB Footprint=R0402
R40_ADS1 R40_ADS2 R40_ADS3 R40_ADS4 R41_ADS1 R41_ADS2 R41_ADS3 R41_ADS4 R42_ADS1 R42_ADS2 R42_ADS3 R42_ADS4 R43_ADS1 R43_ADS2 R43_ADS3 R43_ADS4 R44_ADS1 R44_ADS2 R44_ADS3 R44_ADS4 R45_ADS1 R45_ADS2 R45_ADS3 R45_ADS4 R46_ADS1 R46_ADS2 R46_ADS3 R46_ADS4 R47_ADS1 R47_ADS2 R47_ADS3 R47_ADS4 R48_ADS1 R48_ADS2 R48_ADS3 R48_ADS4 R49_ADS1 R49_ADS2 R49_ADS3 R49_ADS4 R50_ADS1 R50_ADS2 R50_ADS3 R50_ADS4 R51_ADS1 R51_ADS2 R51_ADS3 R51_ADS4 R52_ADS1 R52_ADS2 R52_ADS3 R52_ADS4 R53_ADS1 R53_ADS2 R53_ADS3 R53_ADS4 R54_ADS1 R54_ADS2 R54_ADS3 R54_ADS4 R56_ADS1 R56_ADS2 R56_ADS3 R56_ADS4: library part RES, "RES SMD 4.99K OHM 1% 1/16W 0402", Distributor Part Number=C137965, Manufacturer=YAGEO, Manufacturer Part Number=RC0402FR-074K99L, Distributor=LCSC, Distributor Link=https://item.szlcsc.com/149281.html, Part Number=RC0402FR-074K99L, PCB Footprint=R0402
TP1 TP2 TP3 TP4 TP5 TP6 TP7 TP8 TP9 TP10 TP11 TP12 TP13 TP14 TP15 TP16 TP17: library part CON1_0, Part Type=TP, PCB Footprint=SMD_TP_C35
U1: "锁定特性:翻盖式;触点数量:22P;间距:0.5mm;", JLCPCB Part Class=扩展库, Manufacturer=kinghelm(金航标), Add into BOM=yes, Convert to PCB=yes, Datasheet=https://atta.szlcsc.com/upload/public/pdf/source/20220629/AF128159C3D91429B5983CCCE2A07C6D.pdf, Device=KH-FPC0.5-H1.0SMT-22P-QCHF, Height Above Board=1mm, LCSC Part Name=KH-FPC0.5-H1.0SMT-22P-QCHF, Locking Feature=翻盖式, Manufacturer Part=KH-FPC0.5-H1.0SMT-22P-QCHF, Name=KH-FPC0.5-H1.0SMT-22P-QCHF, Number of Contacts=22P, Pitch=0.5mm, Supplier=LCSC, Supplier Footprint=SMD,P=0.5mm, Supplier Part=C3250120, Symbol=KH-FPC0.5-H1.0SMT-22P-QCHF
U5: library part NT3H1101
U6_ADS1 U6_ADS2 U6_ADS3 U6_ADS4: "IC AFE 8 CHAN 24BIT 64TQFP", Distributor Part Number=296-34818-1-ND, Manufacturer="Texas Instruments", Distributor=Digikey, Distributor Link=https://www.digikey.cn/product-detail/zh/texas-instruments/ADS1299IPAGR/296-34818-1-ND/3536905?keywords=ADS1299IPAGR, Manufacturer Part Number=ADS1299IPAGR, Part Number=ADS1299IPAGR, PCB Footprint=ADS1299IPAGR_TQFP64
U17: "IC REG CHARG PUMP INV 40MA SOT23", Distributor Part Number=C108573, Manufacturer="Texas Instruments", Manufacturer Part Number=LM2664M6X/NOPB, Distributor=LCSC, Distributor Link=https://item.szlcsc.com/109792.html, Part Number=LM2664M6X/NOPB, PCB Footprint=SOT_23_6_DBV
U18: library part LP5907, "IC REG LINEAR 2.5V 250MA SOT23-5", Distributor Part Number=C165132, Manufacturer="Texas Instruments", Distributor=LCSC, Distributor Link=https://item.szlcsc.com/176514.html, Manufacturer Part Number=LP5907MFX-2.5/NOPB, Part Number=LP5907MFX-2.5/NOPB, PCB Footprint=SOT_23_5_DBV
U19: "IC REG LIN -2.5V 200MA SOT23-5", Distributor Part Number=C69932, Manufacturer="Texas Instruments", Manufacturer Part Number=TPS72325DBVR, Distributor=LCSC, Distributor Link=https://item.szlcsc.com/71027.html, Part Number=TPS72325DBVR, PCB Footprint=SOT_23_5_DBV

## Via types
v1: diameter 0.35, hole 0.15, Top Layer to Bottom Layer, tented both sides, 392 vias
v2: diameter 0.6, hole 0.3, Top Layer to Bottom Layer, tented both sides, 66 vias
v3: diameter 0.8, hole 0.4, Top Layer to Bottom Layer, tented both sides, 8 vias
v4: diameter 0.4, hole 0.2, Top Layer to Bottom Layer, tented both sides, 2 vias
v5: diameter 0.6, hole 0.3, Top Layer to Bottom Layer, 1 vias